# Altium PCB Backplane_Board.PcbDoc (continued)
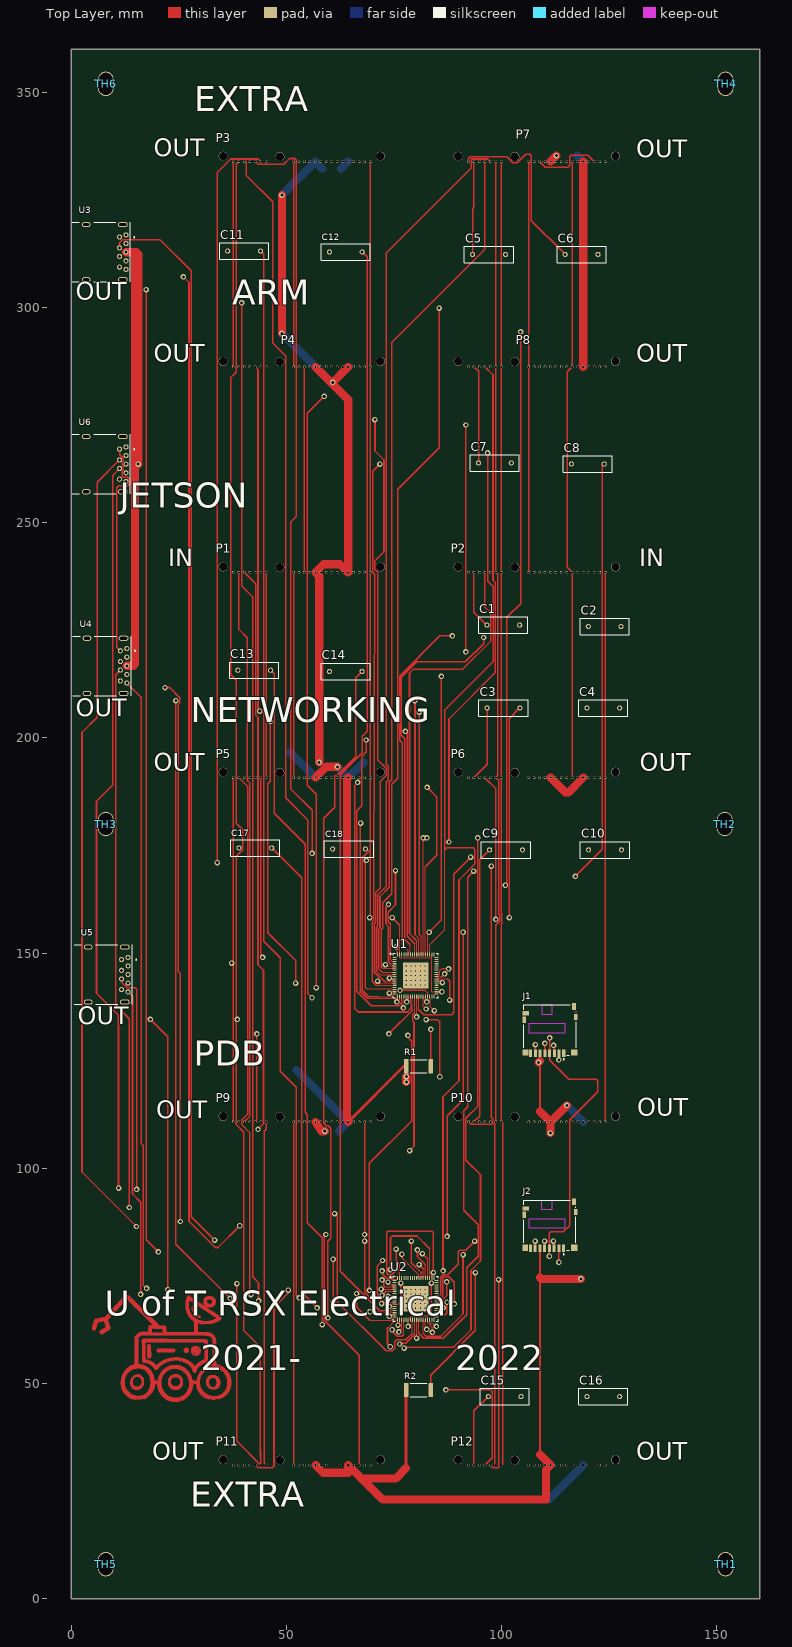
[diagram p0: Top Layer view]
## Nets (pads, with @x,y where several pads share a name; then routed paths per layer and width w, separated by ;. In a path a pad name is that pad's centre, name@x,y a point inside that pad or via, vN(x,y) a via of type N, cw(c..) or ccw(c..) an arc to the next point about the centre after c; other vN are vias at no path point)
+3V3: J1.4 J2.4 P1.1 P1.2 P1.3 P3.1 P3.2 P3.3 P4.1 P4.2 P4.3 P5.1 P5.2 P5.3 P9.1 P9.2 P9.3 P11.1 P11.2 P11.3 U1.18 U1.38 U1.56 U1.71 U2.18 U2.38 U2.56 U2.71 | length 471.4
  Top Layer w0.15: 69.305,64.69 74.368,64.69 75.093,65.415 U2.18 ; 71.399,139.878 74.295,139.878 74.752,140.335 U1.18 ; U2.71 76.25,76.061 76.25,77.749 ; 76.276,156.515 76.276,150.343 76.25,150.316 U1.71 76.25,148.996 76.276,148.971 83.724,148.971 83.75,148.996 ; U2.56 83.75,75.419 v1(84.099,75.768) ; U1.56 83.75,148.996 ; U2.38 86.832,65.915 ; v1@86.102,141.025 U1.38 83.75,141.044 83.75,148.996
  Top Layer w0.3: v1(59.131,84.607) 58.709,84.185 58.709,64.659 66.86,56.508 P11.3 ; v1(66.294,70.866) 66.294,67.701 69.305,64.69 ; v1(68.123,84.607) v1@68.13,84.615 ; P9.2 v1@68.13,84.615 ; v1(69.329,158.242) 69.472,158.385 69.472,172.384 69.4,172.457 69.4,173.972 ; P3.1 P4.1 P1.1 69.4,200.438 69.421,200.417 69.421,196.944 69.4,196.923 P5.1 69.4,173.972 ; v1(70.168,70.129) 69.234,70.129 68.13,71.233 v1(68.13,83.058) 68.13,84.607 v1@68.13,84.615 ; 71.399,139.878 69.037,139.878 67.564,141.351 67.564,172.136 69.4,173.972 ; v1(74.549,158.242) 76.276,156.515 ; v1(75.446,81.221) 75.446,78.554 76.25,77.749 ; 76.25,76.061 75.882,76.429 75.565,76.429 74.384,75.248 73.639,75.248 73.228,75.658 73.228,85.09 73.546,85.407 83.782,85.407 84.099,85.09 v1(84.099,75.768) ; v1@86.102,141.025 v1(86.104,141.023) ; 86.832,65.915 87.274,66.358 v1(87.274,68.859) ; v1(111.074,79.553) 111.08,79.559 J2.4 111.08,84.841 111.442,85.203 114.312,85.203 115.773,86.665 115.773,111.227 122.301,117.754 122.301,120.332 121.958,120.675 115.545,120.675 111.11,125.11 J1.4 v1(111.11,130.277)
+5V0: P1.7 P1.8 P1.9 P1.16 P1.22 P2.7 P2.8 P2.9 P3.7 P3.8 P3.9 P3.16 P3.22 P4.7 P4.8 P4.9 P4.16 P4.22 P5.7 P5.8 P5.9 P5.16 P5.22 P6.7 P6.8 P6.9 P7.7 P7.8 P7.9 P8.7 P8.8 P8.9 P9.7 P9.8 P9.9 P9.16 P9.22 P10.7 P10.8 P10.9 P11.7 P11.8 P11.9 P11.16 P11.22 P12.7 P12.8 P12.9 U3.1 U4.1 U5.1 U6.1 | length 452
  Top Layer w0.3: U6.1 11.187,265.846 12.057,264.976 12.057,264.256 11.817,264.016 11.817,263.216 12.057,262.976 12.057,262.256 11.811,262.01 11.811,260.731 11.938,260.604 13.018,260.604 13.564,260.058 13.564,259.08 13.056,258.572 10.96,258.572 10.516,258.127 10.516,221.107 U4.1 ; v1(37.211,147.676) v1@37.643,148.107 ; P9.22 37.65,114.579 37.643,114.587 v1@37.643,148.107 ; P5.22 37.65,173.079 37.643,173.072 v1@37.643,148.107 ; P4.22 P3.22 ; P11.16 44.831,31.439 44.831,108.585 45.27,109.024 P9.16 ; P5.16 P1.16 ; P6.7 P2.7 115.214,239.666 115.214,285.044 P8.7 P7.7
+12V0: P1.13 P1.14 P1.15 P2.1 P2.2 P2.3 P2.13 P2.14 P2.15 P3.13 P3.14 P3.15 P4.13 P4.14 P4.15 P5.13 P5.14 P5.15 P6.1 P6.2 P6.3 P6.13 P6.14 P6.15 P7.1 P7.2 P7.3 P7.13 P7.14 P7.15 P8.1 P8.2 P8.3 P8.13 P8.14 P8.15 P9.13 P9.14 P9.15 P10.1 P10.2 P10.3 P10.13 P10.14 P10.15 P11.13 P11.14 P11.15 P12.1 P12.2 P12.3 P12.13 P12.14 P12.15 | length 462.3
  Top Layer w0.3: P11.15 P9.15 ; P5.15 P1.15 ; P4.15 P3.15 ; P1.13 P4.13 ; P2.15 P8.15 P7.15 ; P7.13 110.097,332.613 115.329,332.613 115.773,333.058 115.773,335.026 116.205,335.458 119.952,335.458 P7.3 ; P10.1 P6.1 P2.1
GND: J1.6 J2.6 P1.4 P1.5 P1.6 P1.10 P1.11 P1.12 P1.19 P2.4 P2.5 P2.6 P2.10 P2.11 P2.12 P2.20 P3.4 P3.5 P3.6 P3.10 P3.11 P3.12 P3.19 P4.4 P4.5 P4.6 P4.10 P4.11 P4.12 P4.19 P5.4 P5.5 P5.6 P5.10 P5.11 P5.12 P5.19 P6.4 P6.5 P6.6 P6.10 P6.11 P6.12 P6.20 P7.4 P7.5 P7.6 P7.10 P7.11 P7.12 P7.20 P8.4 P8.5 P8.6 P8.10 P8.11 P8.12 P8.20 P9.4 P9.5 P9.6 P9.10 P9.11 P9.12 P9.19 P10.4 P10.5 P10.6 P10.10 P10.11 P10.12 P10.20 P11.4 P11.5 P11.6 P11.10 P11.11 P11.12 P11.19 P12.4 P12.5 P12.6 P12.10 P12.11 P12.12 P12.20 R1.2 R2.2 U3.4 U3.7 U4.4 U4.7 U5.4 U5.7 U6.4 U6.7 | length 736.5
  Top Layer w0.42: 108.88,33.44 108.88,74.61 J2.6 ; 108.91,113.19 108.91,124.937 J1.6
  Top Layer w0.66: P9.5 77.263,123.723 77.82,123.723 R1.2 v1(77.82,121.285) ; 77.78,30.295 R2.2
  Top Layer w1.905: U3.7 14.342,312.886 ; U4.7 14.394,216.756 14.808,217.17 14.808,312.42 14.342,312.886 ; v1(15.519,263.616) 15.519,312.42 15.053,312.886 14.342,312.886 ; v1(48.92,294.01) v1(48.92,326.15) ; P11.11 58.465,29.235 64.32,29.235 P11.5 64.955,30.365 67.418,27.902 ; P9.11 57.07,110.203 58.092,108.608 v1(58.872,108.608) ; P5.11 59.214,193.294 v1(61.806,193.294) ; P4.11 64.32,278.61 P1.5 62.44,240.36 58.58,240.36 P1.11 57.582,237.598 v1(57.582,194.335) ; v1(60.735,282.645) P4.5 ; P9.5 64.32,111.397 64.059,111.658 64.059,190.519 P5.5 ; 77.78,30.295 75.387,27.902 67.418,27.902 ; v1(77.82,120.025) v1(77.82,121.285) ; v1(108.585,124.612) v1@108.91,124.937 ; 108.88,33.44 P12.11 110.261,29.941 110.261,22.994 72.326,22.994 67.418,27.902 ; 108.88,74.61 109.22,74.27 v1(118.389,74.27) ; 108.91,113.19 P10.11 ; v1(111.32,108.161) P10.11 ; P6.11 114.774,187.325 115.486,187.325 P6.5 ; P7.11 v1(112.695,335.305) ; v1(115.13,114.59) P10.11 ; P8.5 P7.5
  Bottom Layer w1.905: v1(48.92,294.01) P4.11 v1@60.285,282.645 ; v1(48.92,326.15) P3.11 58.373,332.257 ; 50.859,196.621 P5.11 57.582,191.662 ; 52.316,122.784 P9.5 62.148,108.608 ; v1(61.806,193.294) P5.5 67.85,194.31 ; 62.647,332.257 P3.5 ; 110.934,22.994 118.305,30.365 P12.5 ; v1(115.13,114.59) P10.5 ; 117.565,335.305 P7.5
MASTER_D0_N: P1.17 U1.62 | length 59.4
  Top Layer w0.15: U1.62 80.75,153.393
  Top Layer w0.381: v1(79.832,208.661) 79.832,154.311 80.75,153.393
MASTER_D0_P: P1.18 U1.61 | length 56.5
  Top Layer w0.15: U1.61 81.25,153.881
  Top Layer w0.381: v1(80.804,205.987) 80.804,154.327 81.25,153.881
MASTER_D1_N: P1.20 P9.21 | length 131.8
  Top Layer w0.381: P1.20 42.819,235.851 42.819,205.308 43.358,204.769 43.358,147.295 44.628,146.025 44.628,110.312 v1(43.358,109.042)
MASTER_D1_P: P1.21 P9.20 | length 129.3
  Top Layer w0.381: P1.21 38.92,225.196 40.843,223.273 40.843,190.17 41.478,189.535 41.478,112.068 P9.20
MASTER_D3_N: U2.62 U6.2 | length 194.1
  Top Layer w0.15: 76.809,79.168 80.75,75.227 U2.62
  Top Layer w0.381: U6.2 5.969,259.398 5.969,204.775 2.464,201.27 2.464,99.111 v1(15.113,86.462) ; 76.809,79.168 v1(76.809,80.014)
MASTER_D3_P: U2.61 U6.3 | length 181
  Top Layer w0.15: U2.61 81.25,75.79
  Top Layer w0.381: v1(10.947,95.402) 10.947,135.56 5.817,140.691 5.817,185.318 9.576,189.078 9.576,261.005 U6.3 ; v1(78.981,83.058) 78.981,78.059 81.25,75.79
MASTER_DN1_N: P3.17 U1.4 | length 187.5
  Top Layer w0.15: 74.115,147.525 U1.4
  Top Layer w0.381: v1(33.884,171.044) 33.884,331.394 37.033,334.543 43.387,334.543 P3.17 ; v1(73.685,161.315) 73.09,160.72 73.09,156.795 73.685,156.2 73.685,147.955 74.115,147.525
MASTER_DN1_P: P3.18 U1.3 | length 197
  Top Layer w0.15: 74.188,156.7 74.188,148.45 74.612,148.025 U1.3
  Top Layer w0.381: P3.18 43.361,333.299 49.352,333.299 50.698,334.645 51.956,334.645 52.273,334.327 52.273,251.46 51.003,250.19 51.003,188.112 55.931,183.185 v1(55.931,173.152) ; 74.188,156.7 73.591,157.296 73.591,159.505 75.311,161.225 v1(75.311,169.164)
MASTER_DN2_N: P4.17 U1.12 | length 138.2
  Top Layer w0.15: 72.822,143.358 74.559,143.358 74.727,143.525 U1.12
  Top Layer w0.381: v1(70.536,273.99) 70.536,266.7 72.644,264.592 72.644,243.266 70.474,241.097 70.474,239.152 71.196,238.43 71.196,194.881 73.146,192.932 73.146,191.281 71.806,189.941 71.806,165.198 70.695,164.087 70.695,157.155 70.385,156.845 70.385,145.536 71.533,144.388 71.792,144.388 72.822,143.358
MASTER_DN2_P: P4.18 U1.11 | length 145.5
  Top Layer w0.15: v1@74.059,144.025 U1.11
  Top Layer w0.381: P4.18 43.358,285.603 43.358,206.654 v1(43.764,206.248) ; v1(46.177,203.835) 46.177,189.941 45.618,189.382 45.618,154.762 52.121,148.26 v1(52.121,143.027) ; v1(73.889,144.196) v1@74.059,144.025
MASTER_DN3_N: P5.17 U1.20 | length 43.4
  Top Layer w0.15: v1(75.615,138.659) 76.25,139.294 U1.20
  Top Layer w0.381: P5.17 44,149.472 v1(44.45,149.022)
MASTER_DN3_P: P5.18 U1.19 | length 48.8
  Top Layer w0.15: 68.774,139.489 75.75,139.489 U1.19
  Top Layer w0.381: v1(67.183,180.188) 67.098,180.102 67.098,141.165 68.774,139.489
MASTER_DN4_N: P9.17 U1.27 | length 36.5
  Top Layer w0.15: 79.75,136.112 U1.27
  Top Layer w0.381: v1(78.613,104.089) 79.611,105.087 79.611,133.903 79.293,134.221 79.293,135.655 79.75,136.112
MASTER_DN4_P: P9.18 U1.26 | length 31.5
  Top Layer w0.15: 79.25,136.73 U1.26
  Top Layer w0.381: P9.18 43.078,111.128 v1(43.078,131.242) ; v1(73.762,131.242) 79.25,136.73
MASTER_DN5_N: P3.21 P11.17 U1.33 U2.4 | length 373.1
  Top Layer w0.15: 72.822,72.415 U2.4 ; 82.166,141.326 82.75,140.741 U1.33
  Top Layer w0.381: v1(38.456,73.177) 38.456,36.544 P11.17 ; v1(38.583,134.595) v1@38.329,134.341 ; P3.21 38.278,333.288 38.278,285.013 37.033,283.769 37.033,214.655 38.303,213.385 38.303,180.188 39.831,178.66 39.831,174.019 38.329,172.517 v1@38.329,134.341 ; v1(72.187,74.041) 72.619,73.609 72.619,72.619 72.822,72.415 ; v1(76.352,141.326) 82.166,141.326 ; 38.303,110.16 38.329,115.418 ; 38.303,110.16 40.081,108.382 40.081,62.281 43.84,58.522 43.84,34.493 ; 38.303,110.16 38.303,115.392 38.329,115.418 ; 38.329,115.418 v1@38.329,134.341 ; 43.84,34.493 P11.17 ; 43.84,34.493 44,34.334 P11.17
MASTER_DN5_P: P3.20 P11.18 U1.34 U2.3 | length 319.2
  Top Layer w0.15: v1(73.571,73.55) 74.206,72.915 U2.3 ; U1.34 83.25,139.471 83.439,139.282 83.439,137.541 v1(84.353,136.627) 84.48,136.5 v1@84.48,136.264
  Top Layer w0.381: P3.20 40.615,333.93 40.64,333.905 40.64,330.721 46.761,324.599 46.761,291.77 49.784,288.747 49.784,186.08 54.915,180.95 54.915,140.614 v1(55.905,139.624) ; P11.18 43.352,30.378 46.672,30.378 47.092,30.797 47.092,67.716 50.394,71.018 v1(50.394,71.676) ; v1(69.244,71.603) 69.244,101.146 79.096,110.998 79.096,129.54 78.207,130.429 v1(78.207,130.889)
  Bottom Layer w0.381: 83.775,136.264 84.48,136.264 83.775,136.264
MASTER_DN6_N: P4.21 U1.57 U2.12 | length 237.6
  Top Layer w0.15: U2.12 75.997,68.415 76.556,68.974 ; U1.57 83.25,151.917 86.741,155.408 86.741,173.99
  Top Layer w0.381: 76.556,68.974 v1(76.556,73.304) ; v1(86.36,76.175) 86.36,116.611 90.068,120.32 90.068,167.005 93.751,170.688 93.751,174.092 93.345,174.498 87.249,174.498 86.741,173.99 86.741,206.502 97.993,217.754 97.993,235.153 96.723,236.423 v1(96.723,266.243)
MASTER_DN6_P: P4.20 U1.58 U2.11 | length 204.5
  Top Layer w0.15: v1@72.484,68.915 U2.11 ; U1.58 82.75,154.483 v1@82.75,154.486
  Top Layer w0.381: v1(60.833,68.961) v1(60.833,78.86) ; v1(72.098,68.529) v1@72.484,68.915 ; v1@82.75,154.483 85.954,157.686 v1(85.954,214.3) ; v1@82.75,154.486 v1(83.102,154.838) ; v1(87.325,84.15) 87.325,112.192 91.034,115.9 v1(91.034,154.838) ; v1(91.643,219.989) v1(91.643,272.72)
MASTER_DN7_N: P5.21 U1.59 U2.20 | length 164.7
  Top Layer w0.15: v1(75.895,63.551) 76.25,63.906 U2.20 ; U1.59 82.25,170.058
  Top Layer w0.381: P5.21 40.97,188.73 40.97,112.624 39.573,111.227 39.573,110.16 41.402,108.331 41.402,70.942 v1(41.707,70.637) ; 82.25,170.058 84.912,172.72 84.912,186.284 v1(82.677,188.519)
MASTER_DN7_P: P5.20 U1.60 U2.19 | length 171.2
  Top Layer w0.15: 73.457,62.865 75.382,64.79 U2.19 ; U1.60 81.75,175.92 v1(81.75,176.784)
  Top Layer w0.381: 73.457,62.865 73.457,59.157 v1(74.092,58.522) ; v1(77.312,58.211) 77.47,58.369 88.798,58.369 92.862,62.433 92.862,76.225 95.072,78.435 95.072,98.467 91.66,101.879 91.66,111.599 94.418,114.357 v1(94.418,176.784) ; 81.75,175.92 v1(82.614,176.784)
MASTER_DN8_N: U2.27 U5.2 | length 72.3
  Top Layer w0.15: 79.75,61.411 U2.27
  Top Layer w0.381: v1(18.339,134.595) 22.403,130.531 v1(22.403,71.806) ; v1(76.276,59.157) 76.479,59.36 77.699,59.36 79.75,61.411
MASTER_DN8_P: U2.26 U5.3 | length 100.2
  Top Layer w0.15: 79.25,61.673 U2.26
  Top Layer w0.381: U5.3 11.657,143.218 12.94,141.935 14.834,141.935 15.164,141.605 v1(15.164,95.072) ; v1(61.163,89.459) 61.798,88.824 61.798,68.924 73.146,57.576 74.626,57.576 75.153,58.102 75.153,59.7 75.565,60.112 77.689,60.112 79.25,61.673
MASTER_DN9_N: P11.21 U2.33 | length 3.4
  Top Layer w0.15: U2.33 82.75,64.11 83.871,62.989
  Top Layer w0.381: v1(83.871,61.862) 83.871,62.989
MASTER_DN9_P: P11.20 U2.34 | length 2.6
  Top Layer w0.15: U2.34 83.25,64.172 83.526,63.896 84.161,63.896 v1(84.816,63.24)
MASTER_DN10_N: U2.57 U3.2 | length 273.3
  Top Layer w0.15: U2.57 83.25,81.328
  Top Layer w0.381: U3.2 11.187,315.098 11.887,315.798 20.599,315.798 27.838,308.559 27.838,88.722 v1(33.274,83.287) ; v1(74.143,76.441) 74.143,83.82 74.574,84.252 80.326,84.252 83.25,81.328
MASTER_DN10_P: U2.58 U3.3 | length 242.5
  Top Layer w0.15: U2.58 82.75,78.949
  Top Layer w0.381: v1(26.035,307.137) 27.33,305.841 27.33,87.706 33.439,81.597 34.074,81.597 v1(39.116,86.639) ; v1(81.55,80.15) 82.75,78.949
MASTER_DN11_N: U2.59 U4.2 | length 133.8
  Top Layer w0.15: U2.59 82.25,77.618
  Top Layer w0.381: v1(21.742,211.709) 22.865,211.709 25.203,209.371 25.203,208.121 24.816,207.734 24.816,145.771 25.324,145.263 v1(25.324,87.63) ; v1(80.416,81.051) 80.416,79.451 82.25,77.618
MASTER_DN11_P: U2.60 U4.3 | length 130.1
  Top Layer w0.15: U2.60 81.75,76.67
  Top Layer w0.381: U4.3 10.312,214.701 10.312,137.897 13.462,134.747 v1(13.462,90.881) ; v1(80.797,77.622) 81.75,76.67
MASTER_SSRX_DN1_N: P7.18 U1.9 | length 207.6
  Top Layer w0.15: 71.604,145.026 U1.9@74.719,145.026 ; U1.9@74.719,145.025 U1.9
  Top Layer w0.381: 71.604,145.026 70.886,145.744 70.886,156.065 71.196,156.375 71.196,163.499 73.152,165.456 73.152,189.719 73.647,190.213 73.647,193.392 73.152,193.887 73.152,312.687 92.888,332.423 92.888,334.515 92.913,334.541 96.74,334.541 P7.18
MASTER_SSRX_DN1_P: P7.19 U1.8 | length 201.8
  Top Layer w0.15: 72.218,145.525 U1.8
  Top Layer w0.381: 72.218,145.525 71.435,146.308 71.435,155.613 71.697,155.874 71.697,163.141 73.889,165.332 73.889,189.712 74.473,190.297 74.473,291.897 96.08,313.504 P7.19
MASTER_SSRX_DN2_N: P8.18 U1.17 | length 141.2
  Top Layer w0.15: v1(73.889,140.716) 74.198,141.025 U1.17
  Top Layer w0.381: v1(56.896,141.986) 56.896,186.919 54.813,189.001 54.813,275.438 v1(58.75,279.375)
MASTER_SSRX_DN2_P: P8.19 U1.16 | length 152.6
  Top Layer w0.15: 68.555,141.732 74.266,141.732 74.473,141.525 U1.16
  Top Layer w0.381: 68.555,141.732 68.25,142.037 68.25,171.234 v1(68.567,171.552) ; v1(87.732,175.819) 87.732,204.419 98.501,215.189 98.501,236.118 97.968,236.652 97.968,284.342 P8.19
MASTER_SSRX_DN3_N: P6.18 U1.25 | length 69.3
  Top Layer w0.15: U1.25 78.75,139.334 78.816,137.033
  Top Layer w0.381: v1(66.523,189.662) 65.804,188.944 65.804,137.192 66.675,136.322 78.105,136.322 78.816,137.033
MASTER_SSRX_DN3_P: P6.19 U1.24 | length 35.4
  Top Layer w0.15: v1(77.927,138.659) 78.25,138.981 U1.24
  Top Layer w0.381: P6.19 98.628,188.231 v1(98.628,157.836)
MASTER_SSRX_DN4_N: P10.18 U1.32 | length 1.3
  Top Layer w0.15: U1.32 82.25,139.001 v1(82.568,138.684)
MASTER_SSRX_DN4_P: P10.19 U1.31 | length 19.3
  Top Layer w0.15: 81.737,137.719 81.737,139.497 81.75,139.497 U1.31
  Top Layer w0.381: 81.737,137.719 v1(82.448,137.008) ; v1(82.448,134.518) 85.09,134.518 85.598,134.01 v1(85.598,121.262)
MASTER_SSRX_DN5_N: P12.18 U2.9 | length 59.8
  Top Layer w0.15: 71.704,69.393 74.397,69.393 74.422,69.418 74.422,69.89 74.447,69.915 U2.9
  Top Layer w0.381: 71.704,69.393 71.247,69.85 71.247,70.753 71.038,70.962 71.038,77.286 v1(72.314,78.562) ; P12.18 97.972,30.378 99.238,30.378 99.263,30.404 99.263,74.117 v1(99.289,74.143)
MASTER_SSRX_DN5_P: P12.19 U2.8 | length 30.5
  Top Layer w0.15: v1@73.755,70.415 U2.8
  Top Layer w0.381: v1(73.571,70.231) v1@73.755,70.415 ; v1(86.995,48.489) 97.472,48.489 97.815,48.146 97.815,32.735 P12.19
MASTER_SSRX_DN6_N: U2.17 U3.5 | length 226.2
  Top Layer w0.15: v1(73.889,65.596) 74.208,65.915 U2.17
  Top Layer w0.381: v1(17.374,304.199) 17.374,83.376 v1(20.187,80.562)
MASTER_SSRX_DN6_P: U2.16 U3.6 | length 239.4
  Top Layer w0.15: v1(69.337,66.65) 74.371,66.65 74.606,66.415 U2.16
  Top Layer w0.381: v1(39.573,301.117) 39.573,235.306 42.113,232.766 42.113,74.781 43.485,73.409 v1(43.485,69.19)
MASTER_SSRX_DN7_N: U2.25 U4.5 | length 155.2
  Top Layer w0.15: U2.25 78.75,65.405 79.068,65.722 82.69,65.722
  Top Layer w0.381: U4.5 16.205,209.418 16.205,105.766 16.713,105.258 16.713,72.847 v1(17.475,72.085) ; 82.69,65.722 83.642,66.675 v1(83.642,73.304)
MASTER_SSRX_DN7_P: U2.24 U4.6 | length 145.7
  Top Layer w0.15: v1(78.25,63.253) U2.24
  Top Layer w0.381: v1(24.257,208.686) 24.257,82.372 v1(36.881,69.748)
MASTER_SSRX_DN8_N: U2.32 U5.5 | length 73.9
  Top Layer w0.15: v1@82.25,62.886 U2.32
  Top Layer w0.381: U5.5 14.199,139.964 14.199,94.014 16.078,92.134 v1(16.078,70.688) ; v1@82.25,62.886 v1(82.575,62.56)
MASTER_SSRX_DN8_P: U2.31 U5.6 | length 28.7
  Top Layer w0.15: 81.737,61.62 81.737,64.427 U2.31
  Top Layer w0.381: 81.737,61.62 82.441,60.916 85.776,60.916 91.008,66.149 v1(91.008,79.908)
MASTER_SSRX_N: P2.18 U1.64 | length 52.8
  Top Layer w0.15: U1.64 79.75,152.177
  Top Layer w0.381: v1(77.597,201.524) 78.029,201.092 78.029,153.899 79.75,152.177
MASTER_SSRX_P: P2.19 U1.63 | length 104.7
  Top Layer w0.15: U1.63 80.25,152.871
  Top Layer w0.381: 80.25,152.871 78.553,154.569 78.553,215.052 79.502,216.002 90.97,216.002 97.485,222.517 97.485,229.032 96.08,230.437 P2.19
MASTER_SSTX_DN1_N: C5.1 P7.21 | length 21.7
  Top Layer w0.3: C5.1 93.223,322.961 93.54,323.278 P7.21
MASTER_SSTX_DN1_P: C6.1 P7.22 | length 43.2
  Top Layer w0.3: P7.22 92.27,334.645 92.626,335.001 101.193,335.001 102.502,333.692 103.645,333.692 105.613,335.661 106.502,335.661 106.883,335.28 106.883,320.217 C6.1
MASTER_SSTX_DN2_N: C7.1 P8.21 | length 22.8
  Top Layer w0.3: P8.21 94.6,285.17 C7.1
MASTER_SSTX_DN2_P: C8.1 P8.22
MASTER_SSTX_DN3_N: C3.1 P6.21 | length 17.5
  Top Layer w0.3: P6.21 96.6,193.839 C3.1
MASTER_SSTX_DN3_P: C4.1 P6.22
MASTER_SSTX_DN4_N: C9.1 P10.21 | length 64.7
  Top Layer w0.3: P10.21 94.878,112.118 94.878,171.688 C9.1
MASTER_SSTX_DN4_P: C10.1 P10.22 | length 66.1
  Top Layer w0.3: P10.22 92.865,110.185 97.917,110.185 97.942,111.531 97.587,111.887 v1(97.587,170.231)
MASTER_SSTX_DN5_N: C15.1 P12.21 | length 17.3
  Top Layer w0.3: P12.21 93.54,43.59 C15.1
MASTER_SSTX_DN5_P: C16.1 P12.22
MASTER_SSTX_DN6_N: C11.2 U3.9
MASTER_SSTX_DN6_P: C12.2 U3.8
MASTER_SSTX_DN7_N: C14.1 U4.8
MASTER_SSTX_DN7_P: C13.1 U4.9
MASTER_SSTX_DN8_N: C18.1 U5.8
MASTER_SSTX_DN8_P: C17.1 U5.9
MASTER_SSTX_N: C1.1 P2.21 | length 13.5
  Top Layer w0.3: P2.21 93.54,229.22 C1.1
MASTER_SSTX_P: C2.1 P2.22
NetC1_2: C1.2 U1.67 | length 81.7
  Top Layer w0.15: 76.835,151.968 78.25,150.553 U1.67
  Top Layer w0.3: 76.835,151.968 76.835,198.878 76.272,199.441 76.272,214.362 85.634,223.723 v1(88.519,223.723)
NetC2_2: C2.2 U1.66 | length 89.1
  Top Layer w0.15: U1.66 78.75,151.958
  Top Layer w0.3: 78.75,151.958 77.497,153.211 77.497,199.811 76.692,200.616 76.692,214.131 80.213,217.653 91.528,217.653 95.809,221.933 v1(95.809,223.342)
NetC3_2: C3.2 U1.22 | length 52.4
  Top Layer w0.15: v1@77.097,137.33 77.097,139.192 77.25,139.345 U1.22
  Top Layer w0.3: v1@77.097,137.33 v1(77.14,137.287) ; v1(101.752,158.267) 101.752,204.501 C3.2
NetC4_2: C4.2 U1.21 | length 72.9
  Top Layer w0.15: 76.75,138.481 U1.21
  Top Layer w0.3: v1(68.504,199.517) 68.504,196.734 67.437,195.667 67.437,184.201 66.269,183.032 66.269,141.125 69.649,137.744 76.013,137.744 76.75,138.481
NetC5_2: C5.2 U1.6 | length 161.9
  Top Layer w0.15: 72.39,146.436 74.663,146.436 U1.6
  Top Layer w0.3: 72.39,146.436 71.975,146.85 71.975,155.414 72.332,155.77 72.332,161.74 74.397,163.805 74.397,189.252 75.794,190.649 75.794,257.835 85.446,267.487 v1(85.446,299.872)
NetC6_2: C6.2 U1.5 | length 132.3
  Top Layer w0.15: v1@73.279,147.025 U1.5
  Top Layer w0.3: v1(72.962,147.343) v1@73.279,147.025 ; v1(100.838,165.76) 101.194,166.116 101.194,228.041 104.369,231.216 v1(104.369,294.349)
NetC7_2: C7.2 U1.14 | length 126.8
  Top Layer w0.15: 70.844,142.525 U1.14
  Top Layer w0.3: 70.844,142.525 69.924,143.445 69.924,157.337 70.234,157.647 70.234,164.545 70.51,237.954 70.014,238.45 70.014,261.987 v1(71.679,263.652)
NetC8_2: C8.2 U1.13 | length 102.9
  Top Layer w0.15: 71.78,142.875 74.651,143.025 U1.13
  Top Layer w0.3: v1(71.171,143.485) 71.78,142.875 ; v1(117.094,167.818) 123.368,174.092 123.368,263.228 C8.2
NetC9_2: C9.2 U1.29 | length 49.6
  Top Layer w0.15: 80.75,136.801 U1.29
  Top Layer w0.3: 80.75,136.801 81.839,135.712 88.328,135.712 88.824,136.207 88.824,168.351 v1(92.786,172.314)
NetC10_2: C10.2 U1.28 | length 4.7
  Top Layer w0.15: v1@80.25,135.212 U1.28
  Top Layer w0.3: v1(80.239,135.2) v1@80.25,135.212
NetC11_1: C11.1 U2.13 | length 248.2
  Top Layer w0.15: v1@73.893,67.915 U2.13
  Top Layer w0.3: C11.1 44.679,312.391 44.679,152.705 48.489,148.895 48.489,122.58 52.299,118.77 52.299,70.536 v1(52.959,69.875) ; v1(73.889,67.92) v1@73.893,67.915
NetC12_1: C12.1 U2.14 | length 256.5
  Top Layer w0.15: 71.559,67.023 74.237,67.023 74.629,67.415 U2.14
  Top Layer w0.3: C12.1 68.707,311.783 68.707,201.539 67.59,200.422 67.59,196.571 62.424,191.405 62.459,138.742 62.459,76.124 71.559,67.023
NetC13_2: C13.2 U2.21 | length 160.1
  Top Layer w0.15: 76.75,62.653 U2.21
  Top Layer w0.3: C13.2 47.082,214.938 47.082,182.508 54.28,175.311 54.28,113.005 54.813,112.471 54.813,87.32 58.289,83.844 v1(58.289,63.657) ; v1(76.073,61.976) 76.75,62.653
NetC14_2: C14.2 U2.22 | length 162.4
  Top Layer w0.15: 77.25,61.425 U2.22
  Top Layer w0.3: v1(59.614,65.215) 59.614,83.066 60.251,83.703 60.251,109.269 59.69,109.83 59.233,109.83 58.649,110.414 58.649,181.331 61.189,183.871 61.189,191.166 61.997,191.572 66.065,195.641 66.065,213.975 C14.2 ; v1(74.543,62.471) 74.543,62.154 75.737,60.96 76.785,60.96 77.25,61.425
NetC15_2: C15.2 U2.6 | length 3.3
  Top Layer w0.15: 73.112,71.415 U2.6
  Top Layer w0.3: v1(72.2,70.503) 73.112,71.415
NetC16_2: C16.2 U2.5 | length 3.1
  Top Layer w0.15: v1@71.991,71.915 U2.5
  Top Layer w0.3: v1(71.984,71.907) v1@71.991,71.915
NetC17_2: C17.2 U2.28 | length 115.5
  Top Layer w0.15: v1@80.25,60.552 U2.28
  Top Layer w0.3: C17.2 53.467,167.523 53.467,71.193 v1(57.087,67.573) ; v1(80.228,60.53) v1@80.25,60.552
NetC18_2: C18.2 U2.29 | length 123.6
  Top Layer w0.15: 80.75,61.618 U2.29
  Top Layer w0.3: 80.75,61.618 81.912,60.456 86.424,60.456 91.872,65.904 91.872,76.886 94.59,79.604 94.59,86.868 91.199,90.259 91.199,113.398 92.075,114.274 92.075,167.632 v1(93.472,169.029)
NetJ1_2: J1.2 U1.43 | length 3.1
  Top Layer w0.15: U1.43 85.812,143.525 v1(86.182,143.154)
  Top Layer w0.3: v1(113.291,125.165) 113.31,125.184 J1.2
NetJ1_3: J1.3 U1.45 | length 4
  Top Layer w0.15: U1.45 86.105,144.525
  Top Layer w0.3: 86.105,144.525 v1(86.741,145.161) ; v1(112.039,128.568) 112.21,128.397 J1.3
NetJ1_5: J1.5 U1.44 | length 9.9
  Top Layer w0.15: U1.44 87.394,144.025
  Top Layer w0.3: 87.394,144.025 87.909,143.51 v1(87.909,139.09) ; J1.5 v1(110.01,129.032)
NetJ1_7: J1.7 U1.46 | length 5.7
  Top Layer w0.15: U1.46 85.623,145.025 85.649,145.885 86.093,146.329
  Top Layer w0.3: 86.093,146.329 v1(87.643,146.329) ; J1.7 v1(107.81,128.714)
NetJ2_2: J2.2 U2.43 | length 5.1
  Top Layer w0.15: U2.43 85.523,68.415 v1(86.36,67.578)
  Top Layer w0.3: v1(113.28,78.164) J2.2
NetJ2_3: J2.3 U2.45 | length 16.2
  Top Layer w0.15: U2.45 85.712,69.415 86.309,70.012
  Top Layer w0.3: 86.309,70.012 86.309,74.46 86.638,74.789 87.669,74.789 88.959,73.5 v1(88.959,68.504) ; v1(111.989,83.058) 112.18,82.867 J2.3
NetJ2_5: J2.5 U2.44 | length 7.8
  Top Layer w0.15: U2.44 85.801,68.915 87.224,70.337
  Top Layer w0.3: 87.224,70.337 v1(87.224,73.596) ; J2.5 109.98,83.056 v1(109.982,83.058)
NetJ2_7: J2.7 U2.46 | length 20.1
  Top Layer w0.15: U2.46 85.268,69.915 85.547,70.272 85.827,70.552
  Top Layer w0.3: 85.827,70.552 85.827,74.676 86.36,75.209 87.498,75.209 89.94,77.651 89.94,80.645 90.29,80.995 91.612,80.995 v1(93.675,83.058) ; v1(107.772,83.058) 107.78,83.05 J2.7
NetP2_16: P2.16 P6.16 P7.16 P8.16 P10.16 P12.16 | length 303.2
  Top Layer w0.3: P12.16 100.206,31.316 100.206,110.464 P10.16 99.89,156.809 99.953,156.872 99.953,159.161 99.89,159.224 P6.16 P2.16 P8.16 P7.16
NetP2_17: P2.17 P6.17 P7.17 P8.17 P10.17 P12.17 | length 304.3
  Top Layer w0.3: P12.17 98.384,31.236 98.384,110.544 P10.17 98.62,156.43 99.533,157.344 99.533,158.75 99.289,158.995 99.289,190.11 P6.17 99.12,191.279 99.12,237.98 P2.17 P8.17 P7.17
NetR1_1: R1.1 U1.72 | length 10.6
  Top Layer w0.15: U1.72 v1@75.75,151.199
  Top Layer w0.3: v1(75.438,151.511) v1@75.75,151.199 ; v1(83.515,132.258) 83.52,132.253 R1.1
NetR2_1: R2.1 U2.72 | length 36.6
  Top Layer w0.15: 74.476,74.239 75.75,74.239 U2.72
  Top Layer w0.3: v1(72.212,76.136) 72.212,75.498 73.255,74.455 74.26,74.455 74.476,74.239 ; R2.1 83.48,51.933 93.878,62.332 v1(93.878,75.743)
pads on no net: J1.1 J1.8 J1.9 J1.10 J1.11 J1.12 J1.13 J1.14 J2.1 J2.8 J2.9 J2.10 J2.11 J2.12 J2.13 J2.14 P1.0 P2.0 P3.0 P4.0 P5.0 P6.0 P7.0 P8.0 P9.0 P10.0 P11.0 P12.0 TH1.0 TH2.0 TH3.0 TH4.0 TH5.0 TH6.0 U1.1 U1.2 U1.7 U1.10 U1.15 U1.23 U1.30 U1.35 U1.36 U1.37 U1.39 U1.40 U1.41 U1.42 U1.47 U1.48 U1.49 U1.50 U1.51 U1.52 U1.53 U1.54 U1.55 U1.65 U1.68 U1.69 U1.70 U1.73 U2.1 U2.2 U2.7 U2.10 U2.15 U2.23 U2.30 U2.35 U2.36 U2.37 U2.39 U2.40 U2.41 U2.42 U2.47 U2.48 U2.49 U2.50 U2.51 U2.52 U2.53 U2.54 U2.55 U2.63 U2.64 U2.65 U2.66 U2.67 U2.68 U2.69 U2.70 U2.73 U3.10 U3.11 U3.12 U3.13 U4.10 U4.11 U4.12 U4.13 U5.10 U5.11 U5.12 U5.13 U6.5 U6.6 U6.8 U6.9 U6.10 U6.11 U6.12 U6.13
copper on no net:
  other v2: 77.8,67.465 78.9,67.465 80,67.465 81.1,67.465 82.2,67.465 77.8,68.565 78.9,68.565 80,68.565 81.1,68.565 82.2,68.565 77.8,69.665 78.9,69.665 80,69.665 81.1,69.665 82.2,69.665 77.8,70.765 78.9,70.765 80,70.765 81.1,70.765 82.2,70.765 77.8,71.865 78.9,71.865 80,71.865 81.1,71.865 82.2,71.865 77.8,142.575 78.9,142.575 80,142.575 81.1,142.575 82.2,142.575 77.8,143.675 78.9,143.675 80,143.675 81.1,143.675 82.2,143.675 77.8,144.775 78.9,144.775 80,144.775 81.1,144.775 82.2,144.775 77.8,145.875 78.9,145.875 80,145.875 81.1,145.875 82.2,145.875 77.8,146.975 78.9,146.975 80,146.975 81.1,146.975 82.2,146.975

## Other copper
Multi-Layer:
  region: 26.896,58.186 26.987,58.186 26.987,58.141 27.032,58.141 27.032,58.095 27.077,58.095 27.077,58.05 27.122,58.05 27.122,58.005 27.168,58.005 27.168,57.959 27.168,57.914 27.213,57.914 27.213,57.869 27.213,57.824 27.213,57.778 27.213,57.733 27.258,57.733 27.258,57.688 27.258,57.643 27.258,57.597 27.258,57.552 27.258,57.507 27.258,57.461 27.213,57.461 27.213,57.416 27.213,57.371 27.168,57.371 27.168,57.326 27.122,57.326 27.122,57.28 27.077,57.28 27.077,57.235 26.987,57.235 26.987,57.19 26.896,57.19 26.896,57.145 26.76,57.145 26.76,57.099 26.579,57.099 26.579,57.145 26.443,57.145 26.443,57.19 26.353,57.19 26.353,57.235 26.307,57.235 26.307,57.28 26.262,57.28 26.262,57.326 26.262,57.371 26.217,57.371 26.217,57.416 26.172,57.416 26.172,57.461 26.172,57.507 26.172,57.552 26.126,57.552 26.126,57.597 26.126,57.643 26.126,57.688 26.126,57.733 26.126,57.778 26.126,57.824 26.172,57.824 26.172,57.869 26.172,57.914 26.172,57.959 26.217,57.959 26.217,58.005 26.262,58.005 26.262,58.05 26.307,58.05 26.307,58.095 26.353,58.095 26.353,58.141 26.443,58.141 26.443,58.186 26.579,58.186 26.579,58.231 26.896,58.231
  region: 184 vertices and 0 holes, not listed, extent 27.937,65.248 30.02,67.828
  region: 169 vertices and 0 holes, not listed, extent 17.616,55.832 18.521,59.091
  region: 23.727,58.05 23.863,58.05 23.863,58.005 23.953,58.005 23.953,57.959 23.953,57.914 24.044,57.914 24.044,57.869 24.044,57.824 24.044,57.778 24.089,57.778 24.089,57.733 24.089,57.688 24.089,57.643 24.089,57.597 24.089,57.552 24.044,57.552 24.044,57.507 24.044,57.461 24.044,57.416 23.953,57.416 23.953,57.371 23.953,57.326 23.863,57.326 23.863,57.28 23.772,57.28 23.772,57.235 22.052,57.235 22.052,57.19 20.151,57.19 20.151,57.235 20.106,57.235 20.106,57.28 20.015,57.28 20.015,57.326 19.97,57.326 19.97,57.371 19.924,57.371 19.924,57.416 19.924,57.461 19.879,57.461 19.879,57.507 19.834,57.507 19.834,57.552 19.834,57.597 19.834,57.643 19.834,57.688 19.834,57.733 19.879,57.733 19.879,57.778 19.924,57.778 19.924,57.824 19.924,57.869 20.015,57.869 20.015,57.914 20.06,57.914 20.06,57.959 20.106,57.959 20.106,58.005 20.332,58.005 20.332,58.05 22.958,58.05 22.958,58.095 23.727,58.095
  region: 158 vertices and 2 holes, not listed, extent 27.801,56.466 30.02,58.684
  region: 237 vertices and 1 holes, not listed, extent 31.287,48.589 34.592,51.939
  region: 247 vertices and 1 holes, not listed, extent 13.677,48.498 16.846,52.074
  region: 252 vertices and 1 holes, not listed, extent 22.46,48.498 25.9,52.12
  region: 632 vertices and 1 holes, not listed, extent 16.393,52.527 31.695,60.359
  region: 3769 vertices and 7 holes, not listed, extent 4.804,45.737 37.172,70.544

## Silkscreen, mask and mechanical layers (free items; w line width, h text height)
Top Overlay:
  text "EXTRA" at 28.568,343.6 h10
  text "OUT" at 19.116,333.83 h7
  text "OUT" at 131.206,333.53 h7
  text "OUT" at 0.986,300.38 h7
  text "ARM" at 37.399,298.65 h10
  text "OUT" at 19.116,286 h7
  text "OUT" at 131.206,286 h7
  text "JETSON" at 11.19,251.55 h10
  text "IN" at -13.347,250.95 h7
  text "IN" at 22.499,238.48 h7
  text "IN" at 131.903,238.48 h7
  text "OUT" at 0.986,203.68 h7
  text "NETWORKING" at 27.738,201.62 h10
  text "OUT" at 19.116,190.96 h7
  text "OUT" at 132.096,190.96 h7
  text "OUT" at 1.526,132.11 h7
  text "PDB" at 28.478,121.86 h10
  text "OUT" at 131.496,110.85 h7
  text "OUT" at 19.716,110.25 h7
  text "U of T RSX Electrical" at 7.76,63.698 h10
  text "2021-              2022" at 30.048,51.057 h10
  text "OUT" at 18.786,30.86 h7
  text "OUT" at 131.256,30.86 h7
  text "EXTRA" at 27.558,19.31 h10

## Dimensions
138.37,332.703 to 134.32,285 on Multi-Layer
138.34,284.951 to 134.29,237.249 on Multi-Layer
138.31,237.2 to 134.26,189.497 on Multi-Layer
126.43,189.449 to 134.23,109.599 on Multi-Layer
126.4,109.55 to 134.2,29.7 on Multi-Layer
160,360 to 80,345 on Multi-Layer
0,360 to 0,0 on Multi-Layer
0,360 to 160,360 on Multi-Layer
160.02,41.529 to 136.075,43.575 on Multi-Layer